# Altium PCB F405adc.PcbDoc (part 1 of 2)
Units mm, origin at the board's own origin, x right, y up, seen from the top; angles counter-clockwise.
Board outline 162 x 21 mm, 2 copper layers (Top Layer, Bottom Layer); 140 components, 96 nets, 399 pads, 109 vias.
Unrouted connection lines stored in the file: 1.
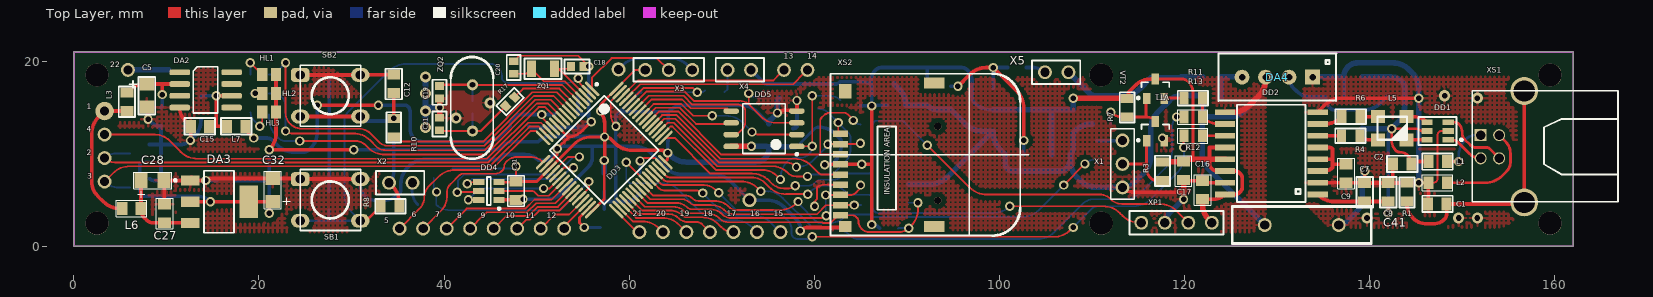
[diagram p0: Top Layer view]
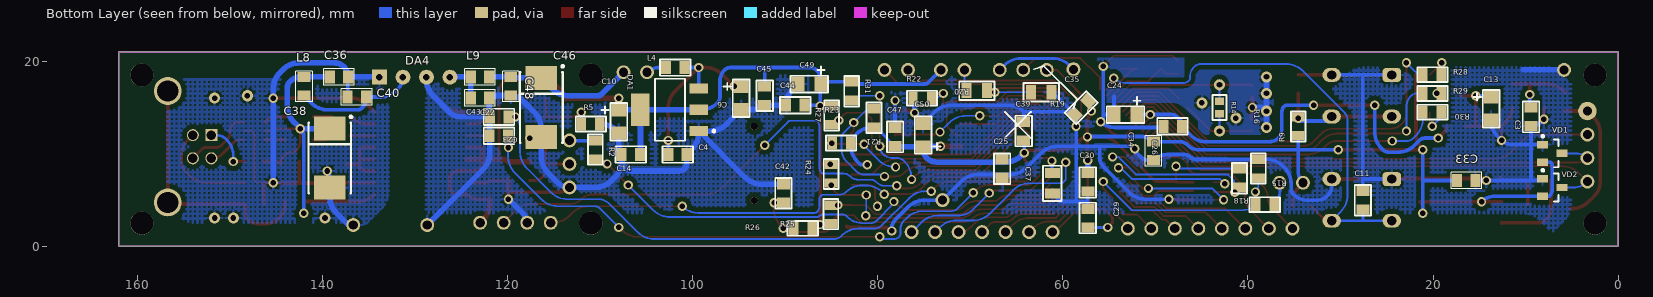
[diagram p1: Bottom Layer view, seen from below]

## Layer stack, top to bottom
Top Layer: signal copper 0.0356
Dielectric: dielectric 0.32, FR-4, Dk 4.8
Bottom Layer: signal copper 0.0356

## Board outline
0,0 0,21 162,21 162,0

## Design rules (kind name [scope] priority, off if disabled: settings)
Clearance Clearance_1 [All vs InPolygon] p1: gap=0.5
Clearance [All] p2: gap=0.2
MinimumSolderMaskSliver [All] p1: minsoldermaskwidth=0.15
PolygonConnect [All] p1: connectstyle=Relief reliefconductorwidth=0.254 reliefentries=4 polygonreliefangle="90 Angle" airgapwidth=0.254
RoomDefinition F405ADC_plata [InComponentClass('F405ADC_plata')] p1: confinementstyle=ConfineIn formatcopy=TRUE lockcomponents=FALSE outline -39.504,-10 181,-10 181,31.81 -39.504,31.81
RoutingVias [All] p1: holewidth=0.6 width=1 viastyle="Through Hole" minholewidth=0.4 minwidth=0.8 maxholewidth=0.8 maxwidth=12
SilkscreenOverComponentPads SilkToSolderMaskClearance [IsPad] p1: minsilkscreentomaskgap=0.254
SolderMaskExpansion [All] p1: expansion=0.102
Width [All] p1: maxlimit=1.5 minlimit=0.2 preferedwidth=0.4
26 further rules are at their usual default settings.

## Components (designator, comment, footprint, x,y, rotation, side; value= is the part's Value field where it differs from the comment)
1 "PIN" Hole#1 3.32,14.605 r270 top
2 "PIN" Hole#2 3.32,9.525 r90 top
3 "PIN" Hole#2 3.32,6.985 r90 top
4 "PIN" Hole#2 3.32,12.065 r90 top
5 "PIN" Hole#2 35.197,1.905 r90 top
6 "PIN" Hole#2 37.737,1.905 r90 top
7 "PIN" Hole#2 40.277,1.905 r90 top
8 "PIN" Hole#2 42.817,1.905 r90 top
9 "PIN" Hole#2 45.357,1.905 r90 top
10 "PIN" Hole#2 47.897,1.905 r90 top
11 "PIN" Hole#2 50.437,1.905 r90 top
12 "PIN" Hole#2 52.977,1.905 r90 top
13 "PIN" Hole#2 76.726,19.05 r90 top
14 "PIN" Hole#2 79.266,19.05 r0 top
15 "PIN" Hole#2 76.345,1.524 r0 top
16 "PIN" Hole#2 73.805,1.524 r0 top
17 "PIN" Hole#2 71.265,1.524 r0 top
18 "PIN" Hole#2 68.725,1.524 r0 top
19 "PIN" Hole#2 66.185,1.524 r0 top
20 "PIN" Hole#2 63.645,1.524 r0 top
21 "PIN" Hole#2 61.105,1.524 r0 top
22 "PIN" Hole#2 5.842,19.05 r90 top (schematic designator 4)
C1 "1000" C0805#1 146.322,4.572 r0 top
C2 "1000" C0805#1 142.512,8.89 r0 top
C3 "0,1 мк" C0805#1 9.416,14.986 r270 bottom
C4 "0,1 мк" C0805#1 102.634,9.906 r180 bottom
C5 "10 мк" 3216 7.892,17.526 r270 top
C6 "10 мк" 3216 94.76,17.272 r270 bottom
C7 "0,1 мк" C0805#1 139.464,4.826 r90 top
C8 "0,01 мк" C0805#1 142.004,4.826 r90 top
C9 "0,1 мк" C0805#1 137.432,6.858 r90 top
C10 "10 мк" 3216 107.968,14.732 r270 bottom
C11 "0,1 мк" C0805#1 27.577,5.969 r270 bottom
C12 "0,1 мк" C0805#1 34.562,18.542 r270 top
C13 "10 мк" 3216 13.734,16.129 r270 bottom
C14 "0,1 мк" C0805#1 105.682,9.906 r0 bottom
C15 "0,1 мк" C0805#1 14.623,12.954 r180 top
C16 "0,1 мк" C0805#1 121.938,5.08 r90 top
C17 "0,1 мк" C0805#1 119.906,9.144 r270 top
C18 "10" CAPC1608X05N 54.374,19.431 r180 top
C19 "20" CAPC1608X05N 39.515,16.637 r90 top
C20 "10" CAPC1608X05N 47.516,19.304 r270 top
C21 "20" CAPC1608X05N 39.515,13.208 r270 top
C22 "47" C0805#1 121.938,11.938 r180 bottom
C23 "47" C0805#1 119.906,13.97 r0 bottom
C24 "10 мк" 3216 51.961,14.224 r0 bottom
C25 "0,1 мк" C0805#1 66.566,9.398 r270 bottom
C26 "0,01 мк" C0805#1 47.135,12.954 r0 bottom
C27 "0,1 мк" C0805#1 9.797,2.54 r90 top
C28 "10 мк" 3216 7.257,7.112 r0 top
C29 "0,1 мк" C0805#1 57.295,2.032 r90 bottom
C30 "0,1 мк" C0805#1 57.295,7.906 r270 bottom
C31 "0,1 мк" C0805#1 47.77,6.985 r270 top
C32 "10 мк" 3216 21.481,4.826 r90 top
C33 "0,1 мк" C0805#1 17.417,7.112 r180 bottom
C34 "0,1 мк" C0805#1 50.183,11.303 r270 bottom
C35 "0,1 мк" C0805#1 57.295,15.679 r315 bottom
C36 "0,1 мк" C0805#1 139.21,18.288 r180 bottom
C37 "0,1 мк" RC0805-2.2 61.13,7.899 r270 bottom
C38 "100 мк" X-7343-43 139.21,9.525 r270 bottom
C39 "0,1 мк" C0805#1 64.229,11.43 r90 bottom
C40 "0,1 мк" C0805#1 135.273,16.129 r0 bottom
C41 "1000" KVR 136.67,2.286 r180 top
C42 "0,1 мк" C0805#1 90.188,4.699 r90 bottom
C43 "0,1 мк" C0805#1 123.97,16.002 r180 bottom
C44 "0,1 мк" C0805#1 87.902,15.24 r0 bottom
C45 "0,1 мк" C0805#1 92.22,17.272 r270 bottom
C46 "100 мк" X-7343-43 116.35,14.986 r270 bottom
C47 "0,1 мк" C0805#1 78.123,10.795 r90 bottom
C48 "0,1 мк" C0805#1 119.652,18.288 r270 bottom
C49 "10 мк" 3216 86.124,17.526 r0 bottom
C50 "10 мк" 3216 75.1,10.744 r90 bottom
DA1 "LM1117" SOT223 99.332,12.446 r90 bottom
DA2 "AD45XX" SO8 14.242,16.891 r0 top
DA3 "LM1117" SOT223 12.591,7.112 r270 top
DA4 "AMT1S-0505S" HOLE_4 133.876,18.288 r270 top
DD1 "USBLC6-2SC6" SOT23-6L 148.5,11.5 r180 top
DD2 "ADUM4160BRWZ" RW-16 134.384,5.588 r180 top
DD3 "STM32F405RGT6" LQFP64_M 56,17 r315 top
DD4 "ADT7301" SOT23-6 44.849,5.969 r180 top
DD5 "W25Q128FVSIG" SOIC127P790X100-8N 74.567,12.7 r180 top
HL1 "REC-T1608UYC-B1-6" C0805#2 21.1,18.542 r180 top
HL2 "REC-T1608UYC-B1-6" C0805#2 21.1,16.51 r180 top
HL3 "REC-T1608UYC-B1-6" C0805#2 21.1,14.478 r180 top
L1 "BLM21PG300SH1D" C0805#1 148.354,9.144 r180 top
L2 "BLM21PG300SH1D" C0805#1 148.354,6.858 r180 top
L3 "BLM21PG300SH1D" C0805#1 5.733,14.605 r90 top
L4 "BLM21PG300SH1D" C0805#1 102.888,19.304 r180 bottom
L5 "ACM3225-601-2P" ACM3225 144,11.5 r180 top
L6 "BLM21PG300SH1D" C0805#1 5.225,4.064 r0 top
L7 "BLM21PG331SH1D" C0805#1 16.528,12.954 r0 top
L8 "BLM21PG300SH1D" C0805#1 142.004,18.288 r270 bottom
L9 "BLM21PG300SH1D" C0805#1 123.97,18.288 r180 bottom
R1 "1 M" RC0805-2 144.036,6.858 r270 top
R2 "1 k" RC0805-2 110.508,9.398 r90 bottom
R3 "47 к" RC0805-2 117.62,7.112 r90 top
R4 "24" RC0805-2 138.956,11.938 r180 top
R5 "36 к" RC0805-2 112.032,13.208 r180 bottom
R6 "24" RC0805-2 139,14 r180 top
R7 "10 k" RC0805-2 113.81,13.97 r90 top
R8 "10 k" RC0805-2 33.165,4.318 r0 top
R9 "10 k" RC0805-2 34.562,13.97 r270 bottom
R10 "0" RC0805-2 34.562,11.811 r90 top
R11 "1,5 к" RC0805-2 121.938,16.002 r180 top
R12 "24" RC0805-2 121.938,11.938 r180 top
R13 "24" RC0805-2 121.938,13.97 r180 top
R14 "1 М" CAPC1608X05N 43.071,14.986 r270 bottom
R15 "510" RC0805-2 37.153,4.496 r0 bottom
R16 "10 к" RC0805-2 38.88,7.366 r90 bottom
R17 "220" CAPC1608X05N 47.135,15.621 r225 top
R18 "10 к" RC0805-2 40.912,8.382 r270 bottom
R19 "10 k" RC0805-2.2 61.232,16.637 r0 bottom
R20 "510" RC0805-2.2 68.192,16.815 r0 bottom
R21 "33 k" RC0805-2 80.409,12.852 r90 bottom
R22 "10 k" RC0805-2 74.186,16.002 r0 bottom
R23 "33 k" RC0805-2 82.924,11.151 r0 bottom
R24 "33 k" RC0805-2 85.032,8.839 r270 bottom
R25 "33 k" RC0805-2 85.057,2.438 r90 bottom
R26 "33 k" RC0805-2 87.064,1.93 r0 bottom
R27 "33 k" RC0805-2 84.981,15.164 r270 bottom
R28 "1 k" RC0805-2 21.1,18.542 r180 bottom
R29 "1 k" RC0805-2 21.1,16.51 r180 bottom
R30 "1 k" RC0805-2 21.1,14.478 r180 bottom
R31 "10 к" RC0805-2 82.822,17.78 r270 bottom
SB1 "SWT-2" SWT2 27.704,5.004 r90 top
SB2 "SWT-2" SWT2 27.704,16.256 r90 top
VD1 "BAT54S" SOT23 7.13,10.033 r180 bottom
VD2 "BAT54S" SOT23 7.13,6.35 r180 bottom
VT1 "BC847C" SOT23 116.858,12.446 r90 top
VT2 "BC847C" SOT23 116.858,17.018 r90 top
X1 "PLS-03" PLS-3 113.302,11.43 r270 top
X2 "PLS-2" PLS-2 36.594,6.858 r180 top
X3 "PLS-03" PLS-3 66.82,19.05 r180 top
X4 "PLS-2" PLS-2 70.63,19.05 r0 top
X5 "PLS-2" PLS-2 107.46,18.796 r180 top
XP1 "*" PLS-4 122.954,2.54 r180 top
XS1 "USBB-1J" USBB-1J 152,12 r90 top
XS2 "DM3BT-DSF-PEJS" 112J-TDAR-R 82.847,12.141 r90 top
ZQ1 "32768" KX–327NHT 50.691,19.177 r180 top
ZQ2 "" HC-49U_5mm 43.071,12.446 r90 top

## Footprints (in the part's own frame and the unit in brackets; to place one, negate y for a bottom-side part, rotate by r counter-clockwise, add the part's x,y. Pads: shape width x height; smd on the part's side, far side on the other; paste and mask are expansions set on the pad)
112J-TDAR-R [mm]
  rect 0.7x1.6 smd: 1(0,0) 2(-1.1,0) 3(-2.2,0) 4(-3.3,0) 5(-4.4,0) 6(-5.5,0) 7(-6.6,0) 8(-7.7,0) 9(-8.8,0)
  rect 1.2x1.4 smd: 10(-10,-0.5)
  rect 1.2x2.2 smd: 11(-10,-10.1) 12(5.5,-10.1)
  rect 1.6x1.4 smd: 13(4.6,-0.5)
  round 0.8 hole 0.8 unplated: 14(-7.2,-10.5) 15(0.8,-10.5)
  Top Layer pour cut-out: -8.2,-6 0.8,-6 0.8,-4 -8.2,-4
  silkscreen extent -11,-20.3 6.5,2.3
3216 [mm]
  rect 1.4x1.6 smd: 1(0,0) 2(2.5,0)
  silkscreen extent -0.76,-1.9 3.3,0.9, body extent -0.3,-0.8 2.8,0.8, height 1.5
ACM3225 [mm]
  rect 1.5x1.4 smd: 1(0,0) 2(0,-2.5) 3(3.1,-2.5) 4(3.1,0)
  silkscreen extent -0.12,-2.5 3.15,0.02, body extent 0,-2.5 3.1,0, height 1
C0805#1 [mm] "Chip Capacitor, Body 2.0x1.3mm, IPC High Density"
  rect 1.1x1.4 smd: 1(0,0) 2(2,0)
  silkscreen extent -0.64,-0.89 2.67,0.89, body extent 0,-0.63 2,0.62, height 0.78
C0805#2 [mm] "Chip Capacitor, Body 2.0x1.3mm, IPC High Density"
  rect 1.1x1.4 smd: 1(-0.75,0) 2(0.75,0)
  body extent -1.1,-0.72 1.1,0.72, height 1.4
CAPC1608X05N [mm] "Chip Capacitor, 2-Leads, Body 1,60x0,85mm, IPC Medium Density"
  rect 0.85x1 smd: 1(-0.675,0) 2(0.675,0)
  silkscreen extent -1.35,-0.75 1.35,0.75, body extent -0.85,-0.48 0.85,0.48, height 0.45
HC-49U_5mm [mm]
  round 1.2 hole 0.6: 1(0,0) 2(5,0)
  silkscreen extent -3,-2.25 8,2.35, body extent -3,-2.33 8.17,2.35, height 13.99
Hole#1 [mm]
  round 2 hole 1: 1(0,0)
Hole#2 [mm]
  round 1.5 hole 1: 1(0,0)
HOLE_4 [mm]
  rect 1.6x1.6 hole 0.7: 1(0.02,-0.04)
  round 1.6 hole 0.7: 2(0.02,-2.58) 3(0.02,-5.12) 4(0.02,-7.66)
  silkscreen extent -2.54,-10.2 2.56,2.54
KVR [mm]
  round 1.5 hole 1: 1(0,0) 2(8,0)
  silkscreen extent -3.5,-2 11.5,2, body extent -3.5,-2 11.5,2, height 14
KX–327NHT [mm]
  rect 1x1.8 smd: 1(-1.25,0) 2(1.25,0)
  silkscreen extent -2,-1.1 2,1.1, body extent -1.67,-0.82 1.67,0.82, height 0.8
LQFP64_M [mm] "Thin QFP, 64-Leads, Body 10x10mm, Pitch 0.5mm, IPC Low Density"
  oval 2.1x0.3 smd: 1(0,0) 2(0,-0.5) 3(0,-1) 4(0,-1.5) 5(0,-2) 6(0,-2.5) 7(0,-3) 8(0,-3.5) 9(0,-4) 10(0,-4.5) 11(0,-5) 12(0,-5.5) 13(0,-6) 14(0,-6.5) 15(0,-7) 16(0,-7.5) 33(11.2,-7.5) 34(11.2,-7) 35(11.2,-6.5) 36(11.2,-6) 37(11.2,-5.5) 38(11.2,-5) 39(11.2,-4.5) 40(11.2,-4) 41(11.2,-3.5) 42(11.2,-3) 43(11.2,-2.5) 44(11.2,-2) 45(11.2,-1.5) 46(11.2,-1) 47(11.2,-0.5) 48(11.2,0)
  oval 0.3x2.1 smd: 17(1.85,-9.35) 18(2.35,-9.35) 19(2.85,-9.35) 20(3.35,-9.35) 21(3.85,-9.35) 22(4.35,-9.35) 23(4.85,-9.35) 24(5.35,-9.35) 25(5.85,-9.35) 26(6.35,-9.35) 27(6.85,-9.35) 28(7.35,-9.35) 29(7.85,-9.35) 30(8.35,-9.35) 31(8.85,-9.35) 32(9.35,-9.35) 49(9.35,1.85) 50(8.85,1.85) 51(8.35,1.85) 52(7.85,1.85) 53(7.35,1.85) 54(6.85,1.85) 55(6.35,1.85) 56(5.85,1.85) 57(5.35,1.85) 58(4.85,1.85) 59(4.35,1.85) 60(3.85,1.85) 61(3.35,1.85) 62(2.85,1.85) 63(2.35,1.85) 64(1.85,1.85)
  silkscreen extent -0.12,-7.9 9.75,0.82, body extent -0.4,-9.75 11.6,2.25, height 1.6
PLS-2 [mm]
  round 1.5 hole 1: 1(0,0) 2(2.54,0)
  silkscreen extent -1.27,-1.27 3.95,1.27, body extent -1.27,-1.27 3.81,1.27, height 8.5
PLS-3 [mm]
  round 1.5 hole 1: 1(0,0) 2(2.54,0) 3(5.08,0)
  silkscreen extent -1.27,-1.27 6.35,1.27, body extent -1.27,-1.27 6.35,1.27, height 8.44
PLS-4 [mm]
  round 1.5 hole 1: 1(0,0) 2(2.54,0) 3(5.08,0) 4(7.62,0)
  silkscreen extent -1.27,-1.27 8.89,1.27, body extent -1.27,-1.27 8.89,1.27, height 8.5
RC0805-2 [mm] "2.0x1.4mm"
  rect 1x1.4 smd: 1(0,0) 2(2,0)
  silkscreen extent -0.6,-0.8 2.67,0.8, body extent 0,-0.63 2,0.62, height 0.78
RC0805-2.2 [mm] "2.2x1.6"
  rect 1.1x1.6 smd: 1(0,0) 2(2.2,0)
  silkscreen extent -0.8,-1 3,1, body extent 0.1,-0.63 2.1,0.62, height 0.78
RW-16 [mm]
  rect 2.2x0.6 smd: 1(0,0) 2(0,-1.27) 3(0,-2.54) 4(0,-3.81) 5(0,-5.08) 6(0,-6.35) 7(0,-7.62) 8(0,-8.89) 9(10,-8.89) 10(10,-7.62) 11(10,-6.35) 12(10,-5.08) 13(10,-3.81) 14(10,-2.54) 15(10,-1.27) 16(10,0)
  silkscreen extent 1.3,-9.69 8.7,0.81, body extent -0.31,-9.7 10.32,0.81, height 2.72
SO8 [mm]
  rrect50% 2.2x0.6 smd: 1(-2.8,1.905) 2(-2.8,0.635) 3(-2.8,-0.635) 4(-2.8,-1.905) 5(2.8,-1.905) 6(2.8,-0.635) 7(2.8,0.635) 8(2.8,1.905)
  silkscreen extent -1.35,-2.48 1.3,2.5, body extent -3.07,-2.44 3.07,2.44, height 1.76
SOIC127P790X100-8N [mm] "SOIC, 8-Leads, Body 5,28x5,28mm, Pitch 1,27mm, IPC Medium Density"
  oval 1.7x0.6 smd: 1(-3.55,1.905) 2(-3.55,0.635) 3(-3.55,-0.635) 4(-3.55,-1.905) 5(3.55,-1.905) 6(3.55,-0.635) 7(3.55,0.635) 8(3.55,1.905)
  silkscreen extent -3.68,-2.7 2.3,2.88, body extent -2.7,-2.7 2.7,2.7, height 1
SOT23 [mm] "SOT23, 3-Leads, Body 2,90x2,40mm, Pitch 0,90mm, IPC Medium Density"
  rect 1.2x0.8 smd: 1(-1.05,0.95) 2(-1.05,-0.95) 3(1.05,0)
  silkscreen extent -1.13,-1.5 0.7,1.97, body extent -1.25,-1.5 1.25,1.5, height 1.09
SOT23-6 [mm] "SOT23-6"
  rect 1.2x0.65 smd: 1(-1.1,0.95) 2(-1.1,0) 3(-1.1,-0.95) 4(1.1,-0.95) 5(1.1,0) 6(1.1,0.95)
  silkscreen extent -1.23,-1.5 0.2,2.02, body extent -0.85,-1.5 0.85,1.5, height 1.45
SOT23-6L [mm] "SOT23, 6-Leads, Body 3,0x3,0mm (max), Pitch 0,95mm, IPC Medium Density"
  rect 1.2x0.6 smd: 1(0,0) 2(0,-0.95) 3(0,-1.9) 4(2.3,-1.9) 5(2.3,-0.95) 6(2.3,0)
  silkscreen extent -1.55,-2.45 3.2,0.55, body extent -0.35,-2.5 2.65,0.55, height 1.3
SOT223 [mm] "SOT-223/SC-73; 4 Leads; Body 6.7 x 7.3 mm, inc. leads (LxW max)"
  rect 1.1x2 smd: 1(0,0) 2(2.3,0) 3(4.6,0)
  rect 3.5x2 smd: 4(2.3,6.3)
  silkscreen extent -1.05,-1.75 5.65,4.72, body extent -1.05,-0.2 5.65,6.62, height 1.95
SWT2 [mm]
  rrect50% 1.5x2 hole 1: 1(2.25,3.25)
  oval 1.5x2 hole 1: 2(2.25,-3.25) 3(-2.25,3.25) 4(-2.25,-3.25)
  silkscreen extent -3.3,-3.3 3.3,3.25, body extent -3.25,-3.75 3.25,3.75, height 5.5
USBB-1J [mm]
  rect 1.3x1.3 hole 1: 1(0,0)
  round 1.3 hole 1: 2(-2.5,0) 3(-2.5,-2) 4(0,-2)
  round 3 hole 2.3: 5(4.77,-4.71) 6(-7.27,-4.71)
  silkscreen extent -7.2,-14.86 4.8,0.9, body extent -8.65,-15.05 6.15,1.45, height 11
X-7343-43 [mm] "Capacitor, SM Tantalum; Body 7.3 x 4.3 mm (LxW typ)"
  rect 2.6x3.4 smd: 1(-3.2,0) 2(3.2,0)
  silkscreen extent -4.57,-2.3 3.8,2.42, body extent -4.5,-2.32 4.5,2.34, height 3.91

## Part data
1 2 3 4 5 6 7 8 9 10 11 12 13 14 15 16 17 18 19 20 21 22: "PIN, hole"
C1 C2 C3 C4 C7 C8 C9 C11 C12 C14 C15 C16 C17 C18 C19 C20 C21 C22 C23 C25 C26 C27 C29 C30 C31 C33 C34 C35 C36 C37 C39 C40 C41 C42 C43 C44 C45 C47 C48: library part C, "Capasitor"
C5 C6 C10 C13 C24 C28 C32 C38 C46 C49 C50: library part CapPol, "Capasitor_polar"
DA1 DA3: "Positive voltage regulators"
DA2: "Ultralow Noise, High Accuracy  Voltage References"
DD1: library part USBLC6, "ESD PROTECTION"
DD2: library part ADUM4160
DD4: "Temperature sensor"
DD5: "Flash"
HL1 HL2 HL3: library part HLSMD, "HL"
L1 L2 L3 L4 L6 L7 L8 L9: library part B, "Ferrite bead"
R1 R2 R3 R4 R5 R6 R7 R8 R9 R10 R11 R12 R13 R14 R15 R16 R17 R18 R19 R20 R21 R22 R23 R24 R25 R26 R27 R28 R29 R30 R31: library part R_Gost, "Resistor,2 Pin"
SB1 SB2: "SWT-2, key"
VD1 VD2: library part BS40-04, "Diod Schottky, 3 pin"
VT1 VT2: library part BC846, "Transistor NPN Generic"
X1 X3: library part J3
X2 X4 X5: library part J2, "PLS-02"
XP1: library part XP4, "XP4"
XS2: library part MicroSD, "SD-card socket"
ZQ1 ZQ2: library part OSC, "OSC"

## Free pads (board coordinates)
  round 2.5 hole 2.5 unplated: 0(2.5,2.5) 0(2.5,18.5) 0(111,2.5) 0(111,18.5) 0(159.5,2.5) 0(159.5,18.5)
  round 1.524 hole 0.965: 1(58.854,19.116) 2(72.996,4.974)

## Via types
v1: diameter 1, hole 0.6, Top Layer to Bottom Layer, 98 vias
v2: diameter 1.2, hole 0.6, Top Layer to Bottom Layer, 11 vias

## Nets (pads, with @x,y where several pads share a name; then routed paths per layer and width w, separated by ;. In a path a pad name is that pad's centre, name@x,y a point inside that pad or via, vN(x,y) a via of type N, cw(c..) or ccw(c..) an arc to the next point about the centre after c; other vN are vias at no path point)
3V3REF: C13.1 C15.1 DA2.6 L7.1 | length 8.5
  Top Layer w0.4: C15.1@14.623,12.954 15.385,12.954 ; L7.1@16.528,12.954 15.385,12.954 ; DA2.6@17.042,16.256 v1(15.385,16.256) 15.385,12.954
  Bottom Layer w0.4: C13.1@13.734,16.129 cw(c14.041,15.822) 14.041,16.256 v1(15.385,16.256)
5VDC: C46.1 C48.1 L9.2 X5.1 | length 16.3
  Bottom Layer w0.6: X5.1@107.46,18.796 109.82,16.436 ccw(c110.254,16.869) 110.254,16.256 113.368,16.256 ccw(c113.368,18.796) 115.164,17 C46.1@116.35,18.186 119.406,18.186 ccw(c119.406,18.534) C48.1@119.652,18.288 L9.2@121.97,18.288
+3,3V: C10.1 C14.1 C16.1 C17.1 C25.1 C30.1 C31.1 C32.1 C33.1 C34.1 C35.1 C39.1 C44.1 C45.1 C47.1 C49.1 C50.1 DA1.2 DA1.4 DA3.2 DA3.4 DD2.12 DD2.13 DD2.14 DD2.16 DD3.19 DD3.32 DD3.48 DD3.64 DD4.3 DD5.8 HL1.1 HL2.1 HL3.1 R3.2 R7.2 R8.2 R9.2 R18.1 R21.1 R23.1 R24.1 R25.1 R26.1 R27.1 R31.1 VD1.2 VD2.2 VT2.3 X2.2 X3.3 X4.2 XP1.1 XS2.4 | length 285.1
  Top Layer w0.2: C31.1@47.704,6.919 ccw(c47.545,7.078) 47.77,7.078 v1(47.77,8.636) ; DD3.64@58.616,17 60.666,19.05 X3.3@61.74,19.05
  Top Layer w0.3: DD4.3@45.949,6.919 C31.1@47.704,6.919 ; C31.1@47.704,6.919 C31.1@47.77,6.985 50.016,6.985 DD3.19@51.404,8.373 54.098,11.067 cw(c55.894,9.271) 55.894,11.811 v1(57.346,11.811) ; DD3.32@56,3.777 57.295,5.072 v1(57.295,9.271) ; v1@56.787,14.605 cw(c58.153,14.605) 57.187,15.571 DD3.64@58.616,17 ; DD3.48@63.92,9.08 ccw(c63.295,9.705) 64.178,9.705 v1(64.178,10.084) ; VT2.3@116.858,18.068 119.719,18.068 cw(c119.719,17.085) 120.414,17.78 cw(c119.188,16.554) 120.922,16.554 120.922,9.398
  Top Layer w0.4: DA3.2@12.591,4.812 v1(14.75,4.812) DA3.4@18.891,4.812 21.447,4.812 21.1,4.465 v1(21.1,3.556) ; HL1.1@21.85,18.542 HL2.1@21.85,16.51 21.85,12.216 cw(c19.31,12.216) 21.106,10.42 v1(21.1,10.414) v1(30.244,10.414) ; X2.2@34.054,6.858 34.421,6.491 cw(c32.625,4.695) 35.165,4.695 R8.2@35.165,4.318 ; v1@56.787,14.605 cw(c55.438,13.256) 57.346,13.256 v1(57.346,11.811) ; v1(57.295,9.271) 57.346,9.322 v1(57.346,11.811) ; v1(64.178,10.084) ccw(c63.504,9.409) 63.504,10.363 60.303,10.363 cw(c60.303,12.903) 58.507,11.107 58.126,11.488 ccw(c57.346,10.707) v1(57.346,11.811) ; v1(81.12,8.814) cw(c81.186,8.748) 81.186,8.841 XS2.4@82.847,8.841 86.134,8.841 cw(c86.134,8.748) 86.2,8.814 ; v1(85.133,8.865) v1@85.23,8.865 ; v1(86.2,2.337) 86.2,8.814 ; v1(86.2,15.164) 86.2,8.814 ; R7.2@113.81,15.97 cw(c115.114,15.97) 114.192,16.892 114.624,17.324 cw(c116.42,15.528) 116.42,18.068 VT2.3@116.858,18.068 ; C16.1@121.938,5.08 123.158,5.08 ccw(c123.158,6.814) DD2.16@124.384,5.588 125.389,5.588 ccw(c125.389,6.455) 126.002,5.842 ccw(c125.389,6.455) 126.256,6.455 126.256,7.261 ccw(c125.389,7.261) 126.002,7.874 ccw(c125.389,7.261) 125.389,8.128 DD2.14@124.384,8.128 123.567,8.128 cw(c123.567,8.995) 122.954,8.382 cw(c123.567,8.995) 122.7,8.995 122.7,9.398 122.7,10.668 DD2.12@124.384,10.668
  Top Layer w0.6: DD5.8@71.017,10.795 72.904,10.795 cw(c72.904,10.361) 73.21,10.668 ccw(c73.21,10.755) v1@73.272,10.693 ; v1(107.968,16.002) 113.733,16.002 cw(c113.733,15.893) R7.2@113.81,15.97 ; R3.2@117.62,9.112 cw(c117.697,9.035) 117.697,9.144 C17.1@119.906,9.144 cw(c120.519,8.531) 120.519,9.398 120.922,9.398 122.7,9.398 DD2.13@124.384,9.398 ; C16.1@121.938,5.08 121.938,4.608 ccw(c124.478,4.608) 122.682,2.812 XP1.1@122.954,2.54
  Bottom Layer w0.2: R18.1@40.912,8.382 47.157,8.382 ccw(c47.157,9.249) v1(47.77,8.636)
  Bottom Layer w0.3: C47.1@78.123,10.795 80.019,12.691 cw(c80.409,12.301) R21.1@80.409,12.852
  Bottom Layer w0.4: VD1.2@8.18,9.083 7.416,9.083 ccw(c7.416,8.858) 7.257,9.017 ccw(c7.564,8.71) 7.13,8.71 7.13,6.074 ccw(c7.997,6.074) 7.384,5.461 ccw(c7.531,5.608) 7.531,5.4 VD2.2@8.18,5.4 13.33,5.4 cw(c13.33,3.392) v1(14.75,4.812) ; C33.1@17.417,7.112 21.1,7.112 ; v1(21.1,3.556) 21.1,7.112 ; v1(21.1,10.414) 21.1,7.112 ; v1(30.244,10.414) 34.562,10.414 ; X2.2@33.863,6.438 X2.2@34.003,6.579 ; X2.2@34.054,6.858 ccw(c32.828,8.084) 34.562,8.084 34.562,10.414 ; R9.2@34.562,11.589 34.562,10.414 ; v1(57.346,11.811) ccw(c57.223,11.688) 57.223,11.862 51.532,11.862 ccw(c51.532,9.954) C34.1@50.183,11.303 47.42,11.303 ccw(c47.42,10.002) 46.5,10.922 cw(c45.274,12.148) 45.274,10.414 34.562,10.414 ; v1(64.178,10.084) 64.178,11.307 cw(c64.352,11.307) C39.1@64.229,11.43 ; X4.2@73.17,19.05 74.514,17.706 ccw(c74.948,18.139) 74.948,17.526 82.209,17.526 ccw(c82.209,18.393) R31.1@82.822,17.78 85.143,17.78 cw(c85.143,16.285) 86.2,17.342 v1(86.2,15.164) ; R21.1@80.409,12.852 80.525,12.852 cw(c80.525,10.312) 82.321,12.108 82.672,11.758 cw(c82.065,11.151) R23.1@82.924,11.151 82.924,10.933 cw(c80.384,10.933) 82.18,9.137 81.933,8.89 cw(c81.749,9.074) 81.749,8.814 v1(81.12,8.814) ; R27.1@84.981,15.164 v1(86.2,15.164) ; C49.1@86.124,17.526 86.124,17.824 cw(c87.858,17.824) 86.632,19.05 cw(c87.245,18.437) 87.245,19.304 92.22,19.304 ; v1(86.2,2.337) cw(c86.2,1.233) 86.981,2.014 R26.1@87.064,1.93 ; C44.1@87.902,15.24 86.384,15.24 ccw(c86.384,14.98) v1(86.2,15.164) ; C45.1@92.04,17.706 cw(c91.607,17.272) C45.1@92.22,17.272 92.22,19.304 ; DA1.2@99.332,14.746 99.1,14.746 cw(c99.1,17.286) 97.304,15.49 cw(c97.927,16.113) 97.046,16.113 97.046,17.824 ccw(c95.312,17.824) 96.538,19.05 ccw(c95.925,18.437) 95.925,19.304 92.22,19.304
  Bottom Layer w0.6: C30.1@57.295,7.906 v1(57.295,9.271) ; v1(64.178,10.084) 64.425,9.837 ccw(c66.221,11.633) 66.221,9.093 73.652,9.093 ccw(c73.652,10.567) 74.694,9.525 ccw(c73.713,10.506) 75.1,10.506 C50.1@75.1,10.744 ; v1(73.21,10.795) 74.732,10.795 cw(c74.732,10.448) 74.978,10.693 ccw(c74.978,10.867) C50.1@75.1,10.744 ; C47.1@77.971,10.77 cw(c77.909,10.831) 77.909,10.744 C50.1@75.1,10.744 ; DA1.2@99.332,14.746 DA1.4@105.632,14.746 ; C14.1@105.682,9.906 cw(c105.803,10.027) 105.632,10.027 DA1.4@105.632,14.746 ; v1(107.968,16.002) C10.1@107.968,14.732 ccw(c107.934,14.698) 107.934,14.746 DA1.4@105.632,14.746
  other v1: 56.914,14.605
+5V: L4.1 X5.2 | length 2.2
  Bottom Layer w0.4: L4.1@102.888,19.304 103.694,19.304 cw(c103.694,17.57) X5.2@104.92,18.796
ADC_IN0: 2.1 DD3.14 VD1.3 | length 53.3
  Top Layer w0.2: 2.1@3.32,9.525 ccw(c4.462,10.667) 4.462,9.052 44.791,9.052 49.074,13.335 50.473,13.335 DD3.14@51.404,12.404
  Bottom Layer w0.2: 2.1@3.32,9.525 cw(c4.546,8.299) 4.546,10.033 VD1.3@6.08,10.033
ADC_IN1: 3.1 DD3.15 VD2.3 | length 53.5
  Top Layer w0.2: 3.1@3.32,6.985 4.227,7.892 cw(c6.023,6.096) 6.023,8.636 44.941,8.636 49.24,12.935 50.236,12.935 50.98,12.192 50.98,12.05 DD3.15@51.05,12.05
  Bottom Layer w0.2: 3.1@3.32,6.985 ccw(c4.853,8.518) 4.853,6.35 VD2.3@6.08,6.35
BOOT0: DD3.60 R19.2 R20.1 | length 13
  Top Layer w0.2: DD3.60@60.031,15.586 61.552,17.107 66.883,17.107 v1(67.353,16.637)
  Bottom Layer w0.2: R19.2@63.432,16.637 v1(67.353,16.637) 67.762,16.637 ccw(c67.762,17.244) R20.1@68.192,16.815
BOOT1: DD3.28 R15.2 R16.1 | length 23.2
  Top Layer w0.2: DD3.28@54.586,5.191 55.644,6.25 v1(55.644,6.985)
  Bottom Layer w0.2: R16.1@38.88,7.366 38.88,6.603 ccw(c39.921,6.603) v1@39.153,5.901 ; v1(39.185,5.867) cw(c39.921,6.603) v1@39.153,5.901 ; v1(55.644,6.985) 52.545,3.886 40.625,3.886 cw(c40.625,5.968) R15.2@39.153,4.496 v1@39.153,5.901
FL_RS: DD3.58 DD5.7 | length 16.6
  Top Layer w0.2: DD3.58@60.738,14.879 60.744,14.879 62.121,16.256 65.873,16.256 66.819,15.31 71.626,15.31 cw(c71.626,14.204) 72.408,14.986 cw(c72.101,14.679) 72.535,14.679 72.535,13.313 cw(c71.668,13.313) 72.281,12.7 71.874,12.293 cw(c71.017,13.15) DD5.7@71.017,11.938
FL_SPI3_CLK: DD3.55 DD5.6 | length 10.5
  Top Layer w0.2: DD3.55@61.798,13.818 61.869,13.818 61.869,13.959 62.877,14.967 65.465,14.967 67.224,13.208 DD5.6@70.89,13.208 ; DD5.6@71.017,13.208 DD5.6@71.138,13.208
FL_SPI3_MISO: DD3.56 DD5.2 | length 18.4
  Top Layer w0.2: DD3.56@61.445,14.172 62.64,15.367 65.631,15.367 66.901,14.097 v1(68.979,14.097) ; v1(73.272,12.344) ccw(c73.946,13.019) 73.946,12.065 DD5.2@78.117,12.065 ; DD5.2@78.117,11.938 DD5.2@78.123,11.938
  Bottom Layer w0.2: v1(68.979,14.097) 70.467,14.097 cw(c70.467,11.557) 72.263,13.353 v1(73.272,12.344)
FL_SPI3_MOSI: DD3.57 DD5.5 | length 11
  Top Layer w0.2: DD3.57@61.091,14.525 62.422,15.856 65.708,15.856 66.654,14.91 70.452,14.91 cw(c70.452,14.589) 70.679,14.816 DD5.5@71.017,14.478
FL_SPI3_NSS: DD3.50 DD5.1 R31.2 | length 31.3
  Top Layer w0.2: DD3.50@63.566,12.05 64.451,12.935 64.669,12.935 69.355,8.249 74.431,8.249 cw(c74.431,6.189) 75.888,7.645 76.32,7.214 v1(76.345,7.214) ; DD5.1@78.117,10.795 v1(79.774,10.795) v1(79.774,16.256)
  Bottom Layer w0.2: v1(76.345,7.214) 76.345,7.33 cw(c78.885,7.33) 77.089,9.126 77.209,9.246 cw(c77.944,8.51) 77.944,9.55 78.504,9.55 ccw(c78.504,10.777) 79.371,9.91 79.433,9.971 ccw(c78.609,10.795) v1(79.774,10.795) ; v1(79.774,16.256) 81.673,16.256 cw(c81.673,14.631) R31.2@82.822,15.78
FL_WP: DD3.59 DD5.3 R22.1 | length 22.1
  Top Layer w0.2: DD3.59@60.384,15.232 61.859,16.707 65.988,16.707 66.985,15.71 71.908,15.71 cw(c71.908,14.105) 72.974,15.305 cw(c73.114,15.445) 72.916,15.445 v1(72.916,16.51) ; 73.043,15.24 74.331,13.952 ccw(c75.821,15.441) 75.821,13.335 DD5.3@78.117,13.335
  Bottom Layer w0.2: v1(72.916,16.51) ccw(c74.142,17.736) 74.142,16.002 R22.1@74.186,16.002
GND: 22.1 C3.2 C4.2 C5.2 C6.2 C10.2 C11.1 C12.1 C13.2 C14.2 C15.2 C16.2 C17.2 C18.1 C19.1 C20.1 C21.1 C22.1 C23.2 C24.2 C25.2 C26.2 C27.2 C28.2 C29.2 C30.2 C31.2 C32.2 C33.2 C34.2 C35.2 C37.2 C39.2 C41.2 C42.2 C43.2 C44.2 C45.2 C46.2 C47.2 C48.2 C49.2 C50.2 DA1.1 DA2.4 DA3.1 DA4.3 DD2.9 DD2.15 DD3.12 DD3.18 DD3.63 DD4.1 DD5.4 pad.2 R5.2 R16.2 R19.1 R22.2 SB1.1 SB1.2 SB2.1 SB2.2 VD1.1 VD2.1 VT1.2 X1.3 XP1.3 XS2.6 XS2.10 | length 377.2
  Top Layer w0.2: C20.1@47.516,19.979 48.111,20.574 54.501,20.574 C18.1@55.347,19.728 ; v1(58.565,12.954) cw(c59.906,14.295) 58.01,14.295 58.01,15.686 DD3.63@58.97,16.646 ; v1(80.028,4.318) 80.028,4.826 80.282,5.08 80.282,6.35 cw(c80.985,5.647) 80.985,6.641 XS2.6@82.847,6.641
  Top Layer w0.3: DD3.18@51.05,8.727 52.215,9.892 v1(52.215,10.541) 53.485,11.811 53.411,11.811 ; DD3.12@52.111,13.111 53.411,11.811 ; v1(55.898,13.462) 54.838,12.402 cw(c53.411,13.83) 53.411,11.811
  Top Layer w0.4: C5.2@7.892,15.026 cw(c7.585,14.719) 8.019,14.719 v1(8.019,13.716) ; C27.2@9.797,4.54 cw(c9.894,4.637) 9.757,4.637 C28.2@9.757,7.112 DA3.1@12.591,7.112 ccw(c12.284,7.419) 12.718,7.419 13.025,7.112 v1(14.242,7.112) cw(c14.759,6.595) 14.759,7.326 C32.2@21.481,7.326 24.28,7.326 cw(c24.28,7.08) SB1.1@24.454,7.254 SB1.2@30.954,7.254 ; DA2.4@11.442,14.986 ccw(c13.497,14.986) 12.044,13.533 C15.2@12.623,12.954 12.623,11.507 cw(c12.514,11.507) v1(12.591,11.43) ; SB2.1@24.454,18.506 SB2.2@30.954,18.506 cw(c31.041,18.419) 31.041,18.542 C12.1@34.562,18.542 ; DD4.1@45.949,5.019 47.609,5.019 47.643,4.985 47.738,5.08 v1(48.532,5.08) ; v1(76.015,14.402) cw(c76.68,13.737) 76.68,14.677 78.123,14.677 v1(78.123,15.748) ; v1(78.479,1.651) 78.555,1.651 78.656,1.753 cw(c79.331,1.078) 79.331,2.032 80.73,2.032 80.76,2.002 81.836,2.002 81.866,2.032 83.084,2.032 ccw(c83.084,2.405) XS2.10@83.347,2.141 cw(c82.9,2.589) XS2.10@82.9,1.956 ; X1.3@113.302,6.35 ccw(c114.528,7.576) 114.528,5.842 119.906,5.842 ; C17.2@119.906,7.144 ccw(c120.061,7.299) 120.061,7.08 C16.2@121.938,7.08 ccw(c122.474,7.616) 122.474,6.858 DD2.15@124.384,6.858
  Top Layer w0.6: C21.1@39.515,13.883 v1(39.515,14.986) C19.1@39.515,15.962 ; v1(117.62,11.684) ccw(c117.861,11.684) 117.691,11.513 VT1.2@117.808,11.396 ; v1(119.906,5.08) 119.906,5.842 C17.2@119.906,7.144 ; DD2.9@124.384,14.478 125.204,14.478 ccw(c125.204,17.018) 127,15.222 128.012,16.234 ccw(c126.216,18.03) 128.756,18.03 DA4.3@128.756,18.268
  Bottom Layer w0.4: v1(8.019,13.716) 8.277,13.458 ccw(c9.416,14.596) C3.2@9.416,12.986 ; VD2.1@8.18,7.3 ccw(c8.634,7.754) 8.634,7.112 9.416,7.112 ; VD1.1@8.18,10.983 9.269,10.983 ; C3.2@9,13 9.416,12.584 9.416,10.983 ; C13.2@13.734,13.629 13.734,13.625 cw(c11.194,13.625) 12.99,11.829 v1(12.591,11.43) cw(c11.512,12.509) 11.512,10.983 9.416,10.983 ; C33.2@15.417,7.112 v1(14.242,7.112) 9.416,7.112 ; SB1.1@24.454,7.254 27.602,7.254 ; SB2.1@24.454,18.506 cw(c24.541,18.419) 24.541,18.542 27.704,18.542 ; C11.1@27.577,5.969 ccw(c27.516,6.03) 27.602,6.03 27.602,7.254 ; SB1.2@30.954,7.254 30.954,6.506 ccw(c32.432,6.506) 31.387,5.461 ccw(c32.613,6.687) 32.613,4.953 33.515,4.953 ccw(c33.515,7.174) 35.085,5.603 ccw(c34.509,6.179) 35.324,6.179 35.324,6.695 cw(c37.864,6.695) 36.068,8.491 36.231,8.654 cw(c38.027,6.858) 38.027,9.398 38.957,9.398 ccw(c38.957,9.289) R16.2@38.88,9.366 45.556,9.366 ccw(c45.556,10.342) 46.246,9.652 cw(c46.859,9.039) 46.859,9.906 48.727,9.906 cw(c48.727,7.847) C34.2@50.183,9.303 50.917,9.303 ccw(c50.917,10.061) 51.453,9.525 52.035,10.107 ccw(c51.602,10.541) v1(52.215,10.541) cw(c52.828,9.928) 52.828,10.795 56.05,10.795 ; SB2.2@30.954,18.506 ccw(c30.867,18.419) 30.867,18.542 27.704,18.542 ; v1(48.532,5.08) 51.036,5.08 ccw(c51.036,7.62) 52.832,5.824 55.576,8.568 ccw(c54.492,9.652) 56.025,9.652 56.025,10.734 cw(c56.112,10.734) 56.05,10.795 ; C26.2@49.135,12.954 ccw(c49.442,13.261) 49.442,12.827 54.365,12.827 ccw(c54.365,14.995) v1(55.898,13.462) ; 54.501,16.205 ccw(c54.598,16.109) 54.461,16.109 C24.2@54.461,14.224 55.644,14.224 ; v1@55.644,13.716 55.644,14.224 ; v1(55.644,19.431) 55.644,14.224 ; C29.2@57.295,4.032 C30.2@57.295,5.906 ; 57.295,4.826 58.667,4.826 ; C37.2@61.13,5.699 60.257,4.826 58.667,4.826 ; R19.1@61.232,16.637 61.082,16.637 C35.2@58.709,14.265 ; C39.2@64.229,13.43 64.229,14.529 ; C50.2@75.1,13.244 73.849,14.496 ccw(c72.053,12.7) 72.053,15.24 65.946,15.24 ccw(c65.946,12.812) 64.229,14.529 ; C47.2@77.674,12.743 ccw(c77.793,12.861) 77.793,12.693 ccw(c76.996,13.491) 78.123,13.491 v1(78.123,15.748) ; C47.2@77.971,12.77 C47.2@78.123,12.922 ; v1@78.555,1.651 ccw(c76.715,1.651) 78.016,2.952 76.738,4.23 ccw(c74.942,2.434) 74.942,4.974 pad.2@72.996,4.974 70.968,7.003 ccw(c69.172,5.207) 69.172,7.747 65.713,7.747 cw(c65.713,10.287) 63.917,8.491 62.357,10.051 ccw(c60.561,8.255) 60.561,10.795 58.565,10.795 ; 9.269,10.983 cw(c9.269,10.775) 9.416,10.922 9.416,7.112 ; 9.269,10.983 9.416,10.983 ; 27.602,7.254 27.602,18.297 cw(c27.949,18.297) 27.704,18.542 ; 56.05,10.795 58.565,10.795 ; 58.565,10.795 58.565,4.928 58.667,4.826 ; 58.565,10.795 v1(58.565,12.954) 58.565,13.916 cw(c59.057,13.916) C35.2@58.709,14.265 ; C35.2@58.709,14.265 cw(c59.347,13.626) 59.347,14.529 64.229,14.529
  Bottom Layer w0.6: 22.1@5.842,19.05 10.234,19.05 ; v2(37.991,12.827) v2(37.991,14.605) ; v2(37.991,18.288) v2(37.991,16.51) v2(37.991,14.605) ; v1(39.515,14.986) 38.372,14.986 v2(37.991,14.605) ; C50.2@75.1,13.244 cw(c75.688,13.244) 75.272,13.659 v1(76.015,14.402) 76.015,15.589 cw(c76.599,15.589) R22.2@76.186,16.002 ; C49.2@88.624,17.526 89.189,16.961 cw(c87.468,15.24) C44.2@89.902,15.24 92.143,15.24 ccw(c93.273,16.37) 93.273,14.772 C6.2@94.76,14.772 96.342,13.19 ccw(c98.138,14.986) 98.138,12.446 DA1.1@99.332,12.446 ; C42.2@90.188,6.699 92.533,6.699 ccw(c92.533,9.239) 94.329,7.443 DA1.1@99.332,12.446 ; R5.2@110.032,13.208 109.996,13.208 ccw(c109.996,10.668) 108.2,12.464 C10.2@107.968,12.232 107.968,10.596 cw(c106.992,10.596) C14.2@107.682,9.906 C14.2@107.682,9.531 ; XP1.3@117.874,2.54 cw(c119.1,2.54) 118.233,3.407 v1(119.906,5.08) ; C41.2@128.67,2.286 122.65,8.306 cw(c124.446,10.102) 121.906,10.102 C23.2@121.906,13.97 ; DA4.3@128.756,18.268 128.756,18.03 cw(c126.216,18.03) 128.012,16.234 126.256,14.478 cw(c125.03,15.704) 125.03,13.97 C23.2@121.906,13.97 ; DA1.1@99.332,12.446 99.332,12.26 ccw(c101.872,12.26) 100.076,10.464 C4.2@100.634,9.906 100.634,8.918 ccw(c101.392,8.918) 100.856,8.382 ccw(c101.469,8.995) 101.469,8.128 106.593,8.128 ccw(c106.593,8.995) 107.206,8.382 ccw(c106.057,9.531) C14.2@107.682,9.531 ; C14.2@107.682,9.531 107.682,9.212 ccw(c110.222,9.212) 108.426,7.416 108.748,7.094 ccw(c110.544,8.89) 110.544,6.35 X1.3@113.302,6.35 ccw(c113.302,8.19) 114.603,6.889 115.606,7.892 ccw(c113.81,9.688) 116.35,9.688 C46.2@116.35,11.786 116.35,12.664 cw(c118.89,12.664) 117.094,14.46 118.406,15.772 cw(c119.652,14.526) C48.2@119.652,16.288 121.28,16.288 cw(c121.28,15.312) C43.2@121.97,16.002 121.97,14.125 cw(c121.752,14.125) C23.2@121.906,13.97
  other v2: 41.293,13.843 44.976,15.494